# Altium PCB main_board.PcbDoc
Units mil, origin at the board's own origin, x right, y up, seen from the top; angles counter-clockwise.
Board outline 8661.42 x 3543.31 mil, 2 copper layers (Top Layer, Bottom Layer); 70 components, 88 nets, 377 pads, 0 vias.
Unrouted connection lines stored in the file: 151.
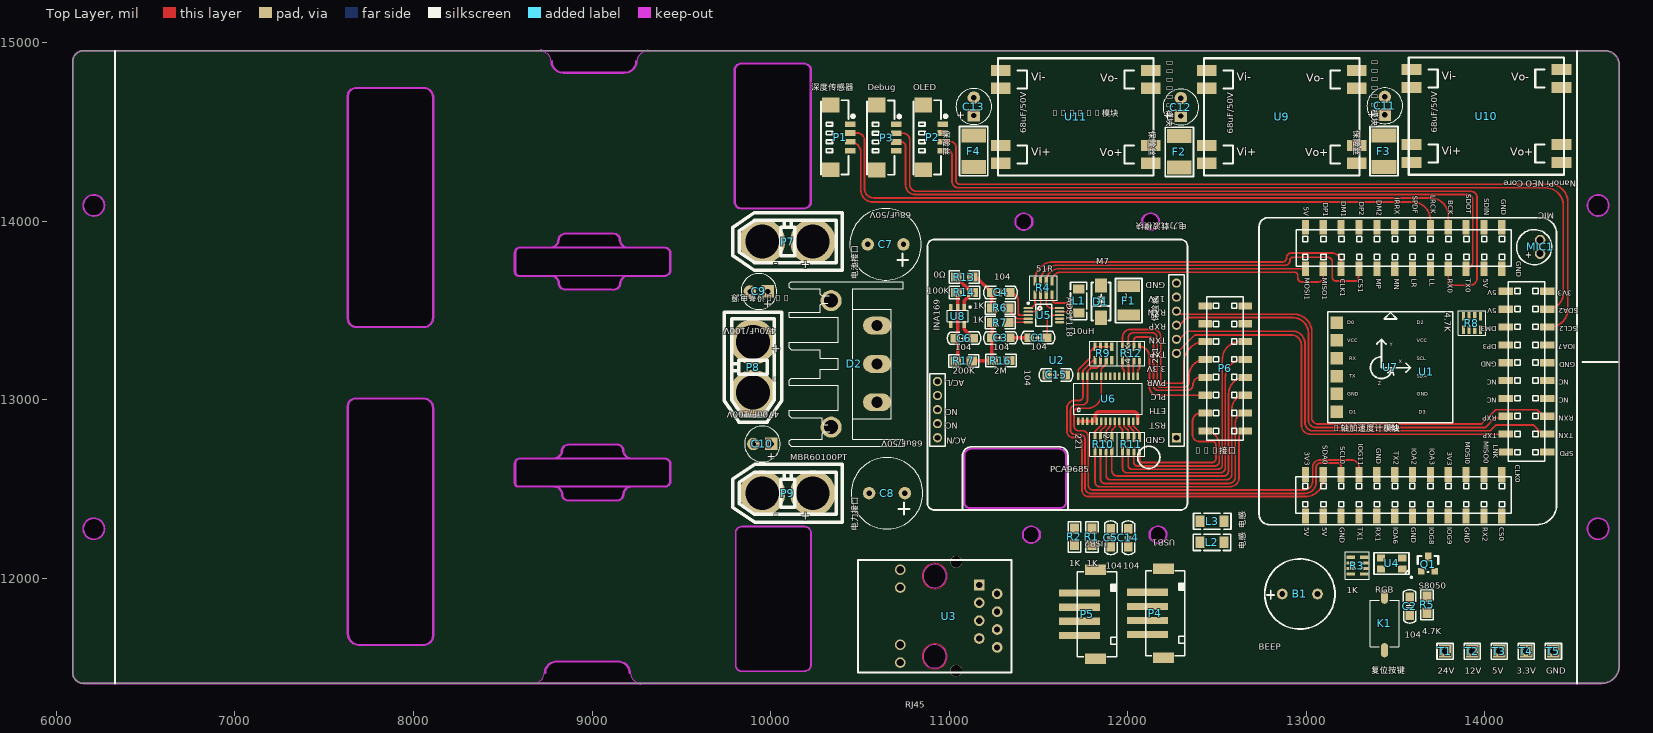
[diagram p0: Top Layer view]
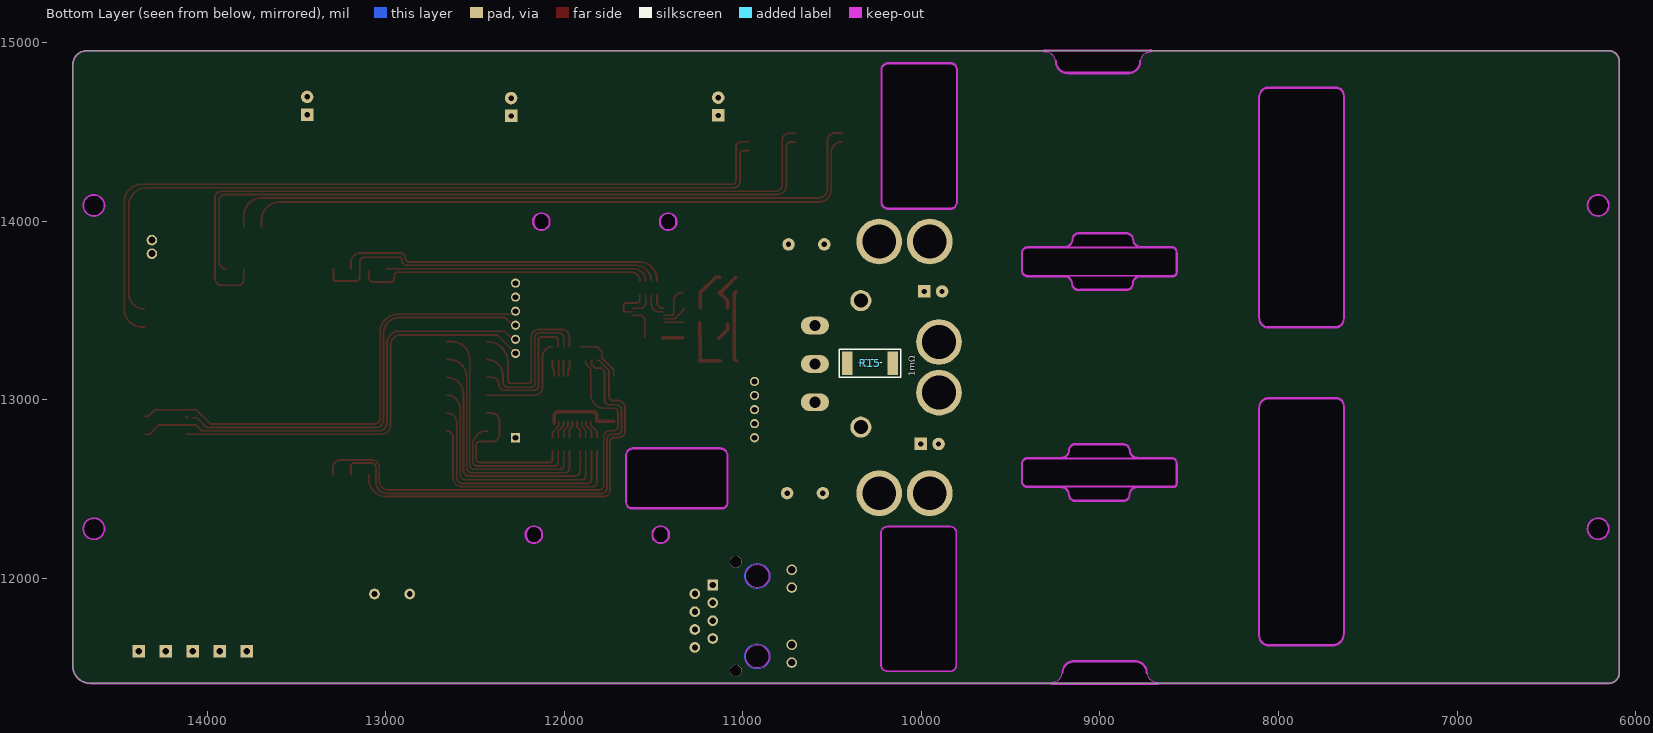
[diagram p1: Bottom Layer view, seen from below]

## Layer stack, top to bottom
Top Solder: solder mask 0.4, Solder Resist, Dk 3.5
Top Layer: signal copper 1.4
Dielectric 1: dielectric 12.6, FR-4, Dk 4.8
Bottom Layer: signal copper 1.4
Bottom Solder: solder mask 0.4, Solder Resist, Dk 3.5

## Board outline
6150.67,11411.02 cw(c6150.67,11470.08) 6091.61,11470.08 6091.61,14895.28 cw(c6150.67,14895.28) 6150.67,14954.33 14674.29,14954.33 cw(c14674.29,14875.59) 14753.03,14875.59 14753.03,11509.45 cw(c14654.61,11509.45) 14654.61,11411.02
cut-out: 11464.06,12196.85 cw(c11464.06,12244.09) 11416.81,12244.09 cw(c11464.06,12244.09) 11464.06,12291.34 cw(c11464.06,12244.09) 11511.3,12244.09 cw(c11464.06,12244.09)
cut-out: 12166.65,12196.85 cw(c12166.65,12244.09) 12119.41,12244.09 cw(c12166.65,12244.09) 12166.65,12291.34 cw(c12166.65,12244.09) 12213.9,12244.09 cw(c12166.65,12244.09)
cut-out: 12124.65,13949.87 cw(c12124.65,13997.12) 12077.41,13997.12 cw(c12124.65,13997.12) 12124.65,14044.36 cw(c12124.65,13997.12) 12171.9,13997.12 cw(c12124.65,13997.12)
cut-out: 11422.06,13949.87 cw(c11422.06,13997.12) 11374.81,13997.12 cw(c11422.06,13997.12) 11422.06,14044.36 cw(c11422.06,13997.12) 11469.3,13997.12 cw(c11422.06,13997.12)
cut-out: 9310.51,14959.32 cw(c9310.25,14954.31) 9309.99,14949.3 ccw(c9307.08,14893.64) 9251.43,14896.68 cw(c9181.53,14896.81) 9181.53,14826.91 8840.04,14826.91 cw(c8840.04,14896.81) 8770.14,14896.76 ccw(c8716.62,14895.44) 8715.4,14948.96 ccw(c8716.62,14895.44) 8715.37,14948.96 8715.4,14948.96 cw(c8715.25,14953.98) 8710.24,14953.98 cw(c8715.25,14953.98) 8711.72,14957.54 cw(c8715.25,14953.98) 8715.13,14958.99 cw(c8716.62,14895.44) 8717.34,14959 ccw(c8715.58,14954.31) 8712.04,14957.85
cut-out: 8674.49,11405.68 cw(c8674.75,11410.69) 8675.01,11415.7 ccw(c8677.92,11471.36) 8733.57,11468.32 cw(c8803.47,11468.19) 8803.47,11538.09 9144.96,11538.09 cw(c9144.96,11468.19) 9214.86,11468.24 ccw(c9268.38,11469.56) 9269.6,11416.04 ccw(c9268.38,11469.56) 9269.63,11416.04 9269.6,11416.04 cw(c9269.75,11411.02) 9274.76,11411.02 cw(c9269.75,11411.02) 9273.28,11407.46 cw(c9269.75,11411.02) 9269.87,11406.01 cw(c9268.38,11469.56) 9267.66,11406 ccw(c9269.42,11410.69) 9272.96,11407.15
cut-out: 8811.73,13647.79 ccw(c8770.9,13648.54) 8811.74,13648.54 ccw(c8770.9,13648.54) 8771.66,13689.37 cw(c8771.75,13694.39) 8770.74,13689.47 8590.35,13689.47 cw(c8590.35,13714.17) 8565.65,13714.17 8565.65,13824.41 cw(c8598.23,13824.41) 8598.23,13856.98 8767.19,13856.98 cw(c8767.75,13852) 8767.82,13857.01 ccw(c8768.4,13898.35) 8809.73,13897.76 cw(c8814.75,13897.69) 8809.79,13898.42 cw(c8852.25,13892.19) 8858.1,13934.71 9115.5,13934.71 cw(c9119.25,13895.19) 9158.74,13899.2 cw(c9153.75,13898.69) 9158.76,13898.69 cw(c9153.75,13898.69) 9158.76,13898.6 ccw(c9199.59,13897.85) 9198.84,13857.01 cw(c9198.75,13852) 9199.31,13856.98 9403.49,13856.98 cw(c9403.49,13818.65) 9441.83,13818.65 9441.83,13725.31 cw(c9405.99,13725.31) 9405.99,13689.47 9203.76,13689.47 cw(c9202.75,13694.39) 9202.68,13689.37 ccw(c9202.09,13648.04) 9160.76,13648.62 ccw(c9155.75,13648.69) 9160.76,13648.69 9160.76,13648.62 cw(c9155.75,13648.69) 9160.71,13647.97 cw(c9118.25,13654.19) 9112.39,13611.68 8854.99,13611.68 cw(c8851.25,13651.19) 8811.76,13647.19 cw(c8816.75,13647.69)
cut-out: 8829.73,12466.79 ccw(c8788.9,12467.54) 8829.74,12467.54 ccw(c8788.9,12467.54) 8789.7,12508.37 ccw(c8788.9,12467.54) 8789.66,12508.37 8789.7,12508.37 8590.35,12508.37 cw(c8590.35,12533.07) 8565.65,12533.07 8565.65,12643.31 cw(c8598.23,12643.31) 8598.23,12675.88 8785.6,12675.88 cw(c8786.75,12671) 8786.82,12676.01 ccw(c8787.4,12717.35) 8828.73,12716.76 cw(c8833.75,12716.69) 8828.79,12717.42 cw(c8871.25,12711.19) 8877.1,12753.71 9134.5,12753.71 cw(c9138.25,12714.19) 9177.74,12718.2 cw(c9172.75,12717.69) 9177.76,12717.69 cw(c9172.75,12717.69) 9177.76,12717.6 ccw(c9218.59,12716.85) 9217.84,12676.01 cw(c9217.75,12671) 9218.9,12675.88 9403.49,12675.88 cw(c9403.49,12637.54) 9441.83,12637.54 9441.83,12544.21 cw(c9405.99,12544.21) 9405.99,12508.37 9219.48,12508.37 ccw(c9220.09,12467.04) 9178.76,12467.62 ccw(c9173.75,12467.69) 9178.76,12467.69 9178.76,12467.62 cw(c9173.75,12467.69) 9178.71,12466.97 cw(c9136.25,12473.19) 9130.39,12430.68 8872.99,12430.68 cw(c8869.25,12470.19) 8829.76,12466.19 cw(c8834.75,12466.69)
cut-out: 6209.72,14029.13 cw(c6209.72,14088.19) 6150.67,14088.19 cw(c6209.72,14088.19) 6209.72,14147.24 cw(c6209.72,14088.19) 6268.78,14088.19 cw(c6209.72,14088.19)
cut-out: 6209.72,12218.11 cw(c6209.72,12277.17) 6150.67,12277.17 cw(c6209.72,12277.17) 6209.72,12336.22 cw(c6209.72,12277.17) 6268.78,12277.17 cw(c6209.72,12277.17)
cut-out: 14575.87,12277.17 ccw(c14634.92,12277.17) 14634.92,12218.11 ccw(c14634.92,12277.17) 14693.98,12277.17 ccw(c14634.92,12277.17) 14634.92,12336.22 ccw(c14634.92,12277.17)
cut-out: 14575.87,14088.19 ccw(c14634.92,14088.19) 14634.92,14029.13 ccw(c14634.92,14088.19) 14693.98,14088.19 ccw(c14634.92,14088.19) 14634.92,14147.24 ccw(c14634.92,14088.19)
cut-out: 9804.94,11513.6 9804.94,12256.39 cw(c9837.94,12256.39) 9837.94,12289.39 10189.95,12289.39 cw(c10189.95,12252.97) 10226.36,12252.97 10226.36,11516.2 cw(c10189.36,11516.2) 10189.36,11479.2 9839.34,11479.2 cw(c9839.34,11513.6)
cut-out: 9796.92,14105.86 9796.92,14849.61 cw(c9801.94,14849.61) 9796.95,14850.15 cw(c9834.94,14848.65) 9834.94,14886.66 10186.95,14886.66 cw(c10186.95,14845.23) 10227.84,14851.86 cw(c10223.36,14849.61) 10228.38,14849.61 10228.38,14108.46 cw(c10186.36,14108.46) 10187.34,14066.45 cw(c10187,14071.46) 10187,14066.44 9836.34,14066.44 cw(c9836.34,14105.86)
cut-out: 7629.91,13454.01 7629.91,14702.71 cw(c7677.88,14702.71) 7677.88,14750.68 8056.18,14750.68 cw(c8056.18,14694.49) 8112.1,14700.07 cw(c8107.36,14698.43) 8112.38,14698.43 8112.38,13457.87 cw(c8056.58,13457.87) 8056.58,13402.07 7681.84,13402.07 cw(c7681.84,13454.01)
cut-out: 7629.91,11689.2 7629.91,12965.72 cw(c7674.71,12965.72) 7674.71,13010.53 8060.12,13010.53 cw(c8060.12,13005.51) 8061.76,13010.25 cw(c8056.18,12954.33) 8112.38,12954.33 8112.38,11678.34 cw(c8056.58,11678.34) 8056.58,11622.54 7696.56,11622.54 cw(c7696.56,11689.2)

## Design rules (kind name [scope] priority, off if disabled: settings)
Clearance [All] p1: gap=7
PolygonConnect [All] p1: connectstyle=Relief reliefconductorwidth=10 reliefentries=4 polygonreliefangle="90 Angle" airgapwidth=10
RoutingVias [All] p1: holewidth=28 width=50 viastyle="Through Hole" minholewidth=28 minwidth=50 maxholewidth=28 maxwidth=50
SolderMaskExpansion [All] p1: expansion=4
Width [All] p1: maxlimit=200 minlimit=5 preferedwidth=10 minimp=50.000000 maximp=50.000000 favimp=50.000000
30 further rules are at their usual default settings.

## Classes and differential pairs
component class devices: B1 C1 C2 C3 C4 C5 C14 C15 K1 MIC1 P1 P2 P3 P4 P5 P6 Q1 R3 R4 R5 R6 R7 R8 R9 R10 R11 R12 R? U4 U5 U6 U7
component class power: C6 C7 C8 C9 C10 C11 C12 C13 D2 F2 F3 F4 F? L2 L3 P7 P8 P9 R13 R14 R15 R16 R17 T1 T2 T3 T4 T5 U8 U9 U10 U11 U?
component class core: D1 F1 L1 R1 R2 U1 U2 U3

## Components (designator, comment, footprint, x,y, rotation, side; value= is the part's Value field where it differs from the comment)
B1 "BEEP" BUZZER 12964.44,11911.81 r0 top
C1 "104" 0805C 11547,13343 r180 top
C2 "104" 0805C 13575.06,11793.66 r90 top
C3 "104" 0805C 11337.18,13342.39 r180 top
C4 "104" 0805C 11337.18,13596.39 r180 top
C5 "104" 0805C 11901,12178 r90 top
C6 "104" 0805C 11035,13349 r0 top
C7 "68uF/50V" RB.2.4 10744.09,13870.08 r180 top
C8 "68uF/50V" RB.2.4 10751.97,12476.38 r180 top
C9 "470uF/100V" RB.1.2 9984.25,13606.3 r180 top
C10 "470uF/100V" RB.1.2 10003.94,12751.97 r180 top
C11 "68uF/50V" RB.1.2 13440,14596 r90 top
C12 "68uF/50V" RB.1.2 12298,14589 r90 top
C13 "68uF/50V" RB.1.2 11138,14592 r90 top
C14 "104" 0805C 11999,12178 r90 top
C15 "104" 0805C 11550,13143 r0 top
D1 "M7" SMA/DO-214AC 11849,13633 r270 top
D2 "MBR60100PT" TO-247LS 10338.58,12846.46 r90 top
F1 "保险丝" 1812 12006,13469 r90 top
F2 "保险丝" FUSE-1812 12286,14473 r270 top
F3 "保险丝" FUSE-1812 13432,14477 r270 top
F4 "保险丝" FUSE-1812 11134,14477 r270 top
K1 "复位按键" 贴片按键 13441.04,11602.71 r90 top
L1 "10uH" 1206L 11727,13487 r90 top
L2 "电感" 1206L 12538,12203 r180 top
L3 "电感" 1206L 12539,12321 r180 top
MIC1 "MIC" MIC 14275.59,13854.33 r180 top
P1 "深度传感器" MX1.25S-4P 10335,14651 r270 top
P2 "OLED" MX1.25S-4P 10853.5,14651 r270 top
P3 "Debug" MX1.25S-4P 10594,14650 r270 top
P4 "USB1" PH2.0S-4P 12201,12052 r270 top
P5 "USB2" PH2.0S-4P 11820,12047 r270 top
P6 "PWM接口" HDR2X8/2.54-SMD 12496,12831 r90 top
P7 "电池接口" XT60-F 10255.91,13885.83 r180 top
P8 "24V设备电源" XT60-F 9901.57,13342.52 r270 top
P9 "电力接口" XT60-F 10255.91,12476.38 r180 top
Q1 "S8050" SOT-23 13647.29,12044.2 r0 top
R1 "1K" 0805R 11800.12,12180.66 r90 top
R2 "1K" 0805R 11702.12,12180.66 r90 top
R3 "1K" 排阻(4位贴片) 13250.23,12117.03 r0 top
R4 "51R" 排阻(4位贴片) 11481.61,13590.01 r90 top
R5 "4.7K" 0805R 13677.98,11800.66 r90 top
R6 "1K" 0805R 11337.18,13514.39 r180 top
R7 "1K" 0805R 11337.18,13432.39 r180 top
R8 "4.7K" 排阻(4位贴片) 13975,13465 r270 top
R9 "4.7K" 排阻(4位贴片) 11817,13223.44 r90 top
R10 "221" 排阻(4位贴片) 11910.45,12786.44 r270 top
R11 "221" 排阻(4位贴片) 12065.45,12786.44 r270 top
R12 "221" 排阻(4位贴片) 11971.95,13223.44 r90 top
R13 "0Ω" 0805R 11136,13687 r180 top
R14 "100K" 0805R 11137,13601 r180 top
R15 "1mΩ" 2512R 10161.42,13204.72 r0 bottom
R16 "2M" 0805R 11341,13220 r180 top
R17 "200K" 0805R 11133,13218 r180 top
T1 "24V" "HEADER 1" 13783,11591 r0 top
T2 "12V" "HEADER 1" 13934.5,11591 r0 top
T3 "5V" "HEADER 1" 14086,11591 r0 top
T4 "3.3V" "HEADER 1" 14237.5,11591 r0 top
T5 "GND" "HEADER 1" 14389,11591 r0 top
U1 "NanoPi NEO Core" "NanoPi NEO Core" 13738.74,12170 r270 top locked
U2 "电力载波模块" 电力载波模块6410 12315,12382 r180 top locked
U3 "RJ45" RJ45 10918,11554 r90 top
U4 "RGB" RGB-3528 13419.86,12113.2 r0 top
U5 "ADS1118" VSSOP-10 11442.99,13512.39 r0 top
U6 "PCA9685" TSSOP-28 11728.45,12874.44 r90 top
U7 "9轴加速度计模块" 9轴加速度计 13163.74,13440 r0 top
U8 "INA169" SOT23-5 11083,13518 r180 top
U9 "MP1584模块" MP1584电源模块 12499,14745 r0 top
U10 "MP1584模块" MP1584电源模块 13646,14750 r0 top
U11 "MP1584模块" MP1584电源模块 11346,14745 r0 top

## Footprints (in the part's own frame and the unit in brackets; to place one, negate y for a bottom-side part, rotate by r counter-clockwise, add the part's x,y. Pads: shape width x height; smd on the part's side, far side on the other; paste and mask are expansions set on the pad)
9轴加速度计 [mil]
  rect 70x70 smd: 1(5.91,-7.81) 2(5.91,-107.81) 3(5.91,-207.81) 4(5.91,-307.81) 5(5.91,-407.81) 6(5.91,-507.81)
  rect 0x0 smd: 7(605.91,-507.81) 8(605.91,-407.81) 9(605.91,-307.81) 10(605.91,-207.81) 11(605.91,-107.81) 12(605.91,-7.81)
  silkscreen extent -44,-570 657,53, body extent -10,-570 622,55, height 87
0805C [mm]
  rect 1.35x1.25 smd: 1(-0.025,-0.112) 2(2.515,-0.112)
  silkscreen extent -1.15,-1 3.64,0.78, body extent -0.03,-0.75 2.48,0.5, height 0.79
0805R [mil]
  rect 60x50 smd: 1(6.34,0.5) 2(96.34,0.5)
  silkscreen extent -34,-34 136,36, body extent 2,-24 101,25, height 31
1206L [mil]
  rect 50x65 smd: 1(-1.59,1.89) 2(133.41,1.89)
  silkscreen extent -39,-43 171,47, body extent 3,-28 129,35, height 35
1812 [mm]
  rect 1.6x3.2 smd: 1(0.127,0) 2(4.227,0)
  silkscreen extent -0.97,-1.9 5.33,1.9, body extent -0.07,-1.6 4.43,1.6, height 1.6
2512R [mil]
  rect 61x129.92 smd: 1(-1.11,1) 2(253.89,1)
  silkscreen extent -45,-78 298,80, body extent 2,-64 251,62, height 24
BUZZER [mil]
  round 60 hole 32 mask+0: 1(-98.43,0) 2(98.43,0)
  silkscreen extent -197,-197 197,197, body extent -240,-236 233,236, height 354
FUSE-1812 [mm]
  rect 2x3.5 smd: 1(-0.1,0.086) 2(4.4,0.086)
  silkscreen extent -1.35,-1.91 5.65,2.09, body extent -0.26,-1.52 4.56,1.7, height 1.32
HDR2X8/2.54-SMD [mm]
  rect 1.02x1.9 smd: 1(-0.146,-4.117) 2(-0.146,1.583) 3(2.394,-4.117) 4(2.394,1.583) 5(4.934,-4.117) 6(4.934,1.583) 7(7.474,-4.117) 8(7.474,1.583) 9(10.014,-4.117) 10(10.014,1.583) 11(12.554,-4.117) 12(12.554,1.583) 13(15.094,-4.117) 14(15.094,1.583) 15(17.634,-4.117) 16(17.634,1.583)
  silkscreen extent -1.49,-3.87 18.96,1.33, body extent -1.48,-4.36 18.9,2.03, height 5.15
"HEADER 1" [mil]
  rect 70x70 hole 35: 1(-5,0)
  silkscreen extent -50,-45 40,44
MIC [mm]
  round 1.5 hole 1.016: 1(-0.875,0.925) 2(-0.875,-1)
  silkscreen extent -2.53,-2.5 2.47,2.5, body extent -3.1,-2.97 2.9,3.02, height 2.21
MP1584电源模块 [mm]
  rect 2.8x1.6 smd: 1(-1.441,-0.032) 1(-1.441,2.519) 2(-1.441,-10.7) 2(-1.441,-8.16) 3(19.901,-10.7) 3(19.901,-8.16) 4(19.901,-0.032) 4(19.901,2.508)
  silkscreen extent -1.82,-12.45 20.28,4.26, body extent -1.97,-12.42 20.3,4.18, height 4.65
MX1.25S-4P [mm]
  rect 2.1x2.5 smd: 0(0.001,0.04) 0(9.237,0.04)
  rect 0.8x1.5 smd: 1(2.744,2.807) 2(3.994,2.807) 3(5.244,2.807) 4(6.494,2.807)
  silkscreen extent -0.66,-1.36 9.9,3.42, body extent -0.39,-1.2 9.76,2.9, height 4.7
"NanoPi NEO Core" [mm]
  rect 2.1x1.02 smd: 1(-45.612,-18.878) 2(-39.712,-18.878) 3(-45.612,-16.338) 4(-39.712,-16.338) 5(-45.612,-13.798) 6(-39.712,-13.798) 7(-45.612,-11.258) 8(-39.712,-11.258) 9(-45.612,-8.718) 10(-39.712,-8.718) 11(-45.612,-6.178) 12(-39.712,-6.178) 13(-45.612,-3.638) 14(-39.712,-3.638) 15(-45.612,-1.098) 16(-39.712,-1.098) 17(-45.612,1.442) 18(-39.712,1.442) 19(-45.612,3.982) 20(-39.712,3.982) 21(-45.612,6.522) 22(-39.712,6.522) 23(-45.612,9.062) 24(-39.712,9.062) 25(-10.45,-18.883) 26(-4.55,-18.883) 27(-10.45,-16.343) 28(-4.55,-16.343) 29(-10.45,-13.803) 30(-4.55,-13.803) 31(-10.45,-11.263) 32(-4.55,-11.263) 33(-10.45,-8.723) 34(-4.55,-8.723) 35(-10.45,-6.183) 36(-4.55,-6.183) 37(-10.45,-3.643) 38(-4.55,-3.643) 39(-10.45,-1.103) 40(-4.55,-1.103) 41(-10.45,1.437) 42(-4.55,1.437) 43(-10.45,3.977) 44(-4.55,3.977) 45(-10.45,6.517) 46(-4.55,6.517) 47(-10.45,9.057) 48(-4.55,9.057)
  rect 1.02x2.1 smd: 49(-13.641,9.625) 50(-13.641,15.525) 51(-16.181,9.625) 52(-16.181,15.525) 53(-18.721,9.625) 54(-18.721,15.525) 55(-21.261,9.625) 56(-21.261,15.525) 57(-23.801,9.625) 58(-23.801,15.525) 59(-26.341,9.625) 60(-26.341,15.525) 61(-28.881,9.625) 62(-28.881,15.525) 63(-31.421,9.625) 64(-31.421,15.525) 65(-33.961,9.625) 66(-33.961,15.525) 67(-36.501,9.625) 68(-36.501,15.525)
  silkscreen extent -46.97,-25.48 -3.3,16.85, body extent -45.96,-20.21 -4.4,15.67, height 5.15
PH2.0S-4P [mil]
  rect 59.06x118.11 smd: 0(-0.16,-1.22) 0(497.32,-1.22)
  rect 40x230 smd: 1(130.47,-89.33) 2(209.21,-89.33) 3(287.95,-89.33) 4(366.69,-89.33)
  silkscreen extent 10,-101 487,119, body extent 12,-190 485,117, height 242
RB.1.2 [mil]
  rect 70x70 hole 30: 1(0,0)
  round 70 hole 30: 2(100,0)
  silkscreen extent -50,-100 150,100, body extent -28,-73 130,85, height 278
RB.2.4 [mil]
  round 70 hole 30: 1(0,0) 2(200,0)
  silkscreen extent -100,-200 300,200, body extent -110,-218 316,207, height 512
RGB-3528 [mm]
  rect 1.2x1 smd: 1(-0.029,0.03) 2(-0.029,-1.57) 3(2.971,0.03) 4(2.971,-1.57)
  silkscreen extent -1.01,-2.87 4.42,0.76, body extent -0.32,-2.2 3.18,0.6, height 1.9
RJ45 [mil]
  rect 60x60 hole 35: 1(408.65,-250.74)
  round 60 hole 35: 2(358.65,-350.74) 3(308.65,-250.74) 4(258.65,-350.74) 5(208.65,-250.74) 6(158.65,-350.74) 7(108.65,-250.74) 8(58.65,-350.74)
  round 59.06 hole 40.16: 9(493.29,192.17) 12(-26.39,192.17)
  round 59.05 hole 40.16: 10(393.45,192.17) 11(73.45,192.17)
  round 66.93 hole 64.96: 13(538.57,-120.74) 14(-71.67,-120.74)
  round 116.14 hole 127.95: MH3(8.42,-1.24) MH3(458.42,-1.24)
  Keep-Out Layer circle w2: c458.49,-0.74 r64.96
  Keep-Out Layer circle w2: c8.49,-0.74 r64.96
  Multi-Layer circle w5: c8.42,-1.24 r70.8
  Multi-Layer circle w5: c458.42,-1.24 r70.8
  silkscreen extent -82,-431 548,429, body extent -82,-417 543,425, height 551
SMA/DO-214AC [mm]
  rect 2x1.75 smd: 1(-0.178,0.025) 2(4.422,0.025)
  silkscreen extent -0.58,-1.32 4.82,1.38, body extent -0.38,-1.32 4.73,1.35, height 2.12
SOT23-5 [mm]
  rect 0.5x1 smd: 1(-0.051,0.051) 2(0.899,0.051) 3(1.849,0.051) 4(1.849,2.451) 5(-0.051,2.451)
  silkscreen extent -0.99,-0.15 2.4,2.05, body extent -0.55,-0.15 2.35,2.65, height 1.09
SOT-23 [mil]
  rect 36x36 smd: 1(-2.52,-5.16) 2(72.48,-5.16)
  rect 36x50 smd: 3(35.48,74.84)
  silkscreen extent -23,-10 92,80, body extent -22,-18 92,92, height 47
TO-247LS [mm]
  round 3 hole 2: 0(-0.008,-0.02) 0(17.992,-0.02)
  oval 2.54x4 hole 1.575: 1(3.542,-6.552) 2(8.992,-6.552) 3(14.442,-6.552)
  silkscreen extent -2.71,-10.25 20.69,5.95, body extent -2.46,-10.33 20.44,6.07, height 30.62
TSSOP-28 [mm]
  rect 1.1x0.35 smd: 1(0.134,0.126) 2(0.134,-0.524) 3(0.134,-1.174) 4(0.134,-1.824) 5(0.134,-2.474) 6(0.134,-3.124) 7(0.134,-3.774) 8(0.134,-4.424) 9(0.134,-5.074) 10(0.134,-5.724) 11(0.134,-6.374) 12(0.134,-7.024) 13(0.134,-7.674) 14(0.134,-8.324) 15(6.534,-8.324) 16(6.534,-7.674) 17(6.534,-7.024) 18(6.534,-6.374) 19(6.534,-5.724) 20(6.534,-5.074) 21(6.534,-4.424) 22(6.534,-3.774) 23(6.534,-3.124) 24(6.534,-2.474) 25(6.534,-1.824) 26(6.534,-1.174) 27(6.534,-0.524) 28(6.534,0.126)
  silkscreen extent 1.13,-8.95 5.53,0.75, body extent 0.15,-8.95 6.55,0.75, height 0.92
VSSOP-10 [mm]
  oval 1.35x0.3 smd: 1(0,0.008) 2(0,-0.492) 3(0,-0.992) 4(0,-1.492) 5(0,-1.992) 6(4.45,-1.992) 7(4.45,-1.492) 8(4.45,-0.992) 9(4.45,-0.492) 10(4.45,0.008)
  silkscreen extent -0.12,-2.54 3.37,0.83, body extent -0.24,-2.48 4.69,0.53, height 1.1
XT60-F [mm]
  round 6.5 hole 4.8: 1(0.489,0) 2(7.689,0)
  silkscreen extent -3.71,-4.1 11.89,4.1, body extent -3.81,-4.06 12.09,4.09, height 16.5
排阻(4位贴片) [mm]
  rect 1.22x0.45 smd: 1(-0.051,0.013) 2(1.869,0.013) 3(-0.051,-0.787) 4(1.869,-0.787) 5(-0.051,-1.587) 6(1.869,-1.587) 7(-0.051,-2.387) 8(1.869,-2.387)
  silkscreen extent -0.81,-3.14 2.64,0.76, body extent 0.1,-2.79 1.7,0.41, height 0.59
电力载波模块6410 [mm]
  round 1.3 hole 0.8: 0(35.059,-16.289) 7(1.059,-22.289) 8(1.059,-24.289) 9(1.059,-26.289) 10(1.059,-28.289) 11(1.059,-30.289) 12(1.059,-32.289) 13(35.059,-18.289) 14(35.059,-14.289) 15(35.059,-12.289) 16(35.059,-10.289)
  rect 1.3x1.3 hole 0.8: 1(1.059,-10.289)
  round 0 all layers, no hole: 2(1.059,-12.289) 3(1.059,-14.289) 4(1.059,-16.289) 5(1.059,-18.289) 6(1.059,-20.289)
  Keep-Out Layer board cut-out: 16.655,-7.747 16.653,-7.734 16.652,-7.721 16.652,-7.721 16.652,-1.19 16.652,-1.184 16.652,-1.179 16.652,-1.179 16.804,-0.665 17.188,-0.292 17.706,-0.156 17.706,-0.156 30.367,-0.156 30.367,-0.156 30.862,-0.289 31.224,-0.651 31.357,-1.146 31.357,-1.146 31.357,-7.712 31.356,-7.726 31.354,-7.74 31.354,-7.74 31.169,-8.294 30.741,-8.691 30.175,-8.836 30.175,-8.836 17.729,-8.836 17.707,-8.834 17.685,-8.828 17.685,-8.828 17.685,-8.828 17.182,-8.646 16.813,-8.258 16.655,-7.747
  Keep-Out Layer lines w0.254: 31.229,-7.654 cw(c30.175,-7.654) 30.175,-8.708 17.729,-8.708 ; 31.229,-7.712 31.229,-1.146 ccw(c30.367,-1.146) 30.367,-0.283 17.706,-0.283 ccw(c17.706,-1.21) 16.779,-1.21 ; 17.821,-8.708 cw(c17.821,-7.667) 16.779,-7.667 ; 16.779,-1.19 16.779,-7.721
  silkscreen extent -0.5,-38.5 36.5,0, body extent -0.15,-33.42 36.3,-8.87, height 4.35
贴片按键 [mil]
  oval 80x40 smd: 1(-5.71,2.8) 2(294.29,2.8)
  silkscreen extent 14,-76 274,82, body extent 24,-69 264,77, height 98

## Part data
C1 C2 C3 C4 C5 C6 C14 C15: library part Cap1, "无极贴片电容"
C7 C8 C9 C10 C11 C12 C13: library part Cap3, "直插极性电容"
D1: library part Diode, "二极管"
F1 F2 F3 F4: library part Fuse
K1: library part 贴片按键, "轻触开关"
L1: library part L, "电感"
L2 L3: library part L
P1 P2 P3: library part 接线端子-4PIN, "4PIN"
P4 P5: library part USB
P6: library part "Header 2X8"
P7 P9: library part 电源端子
P8: library part 推进器电源
Q1: library part NPN, "NPN三极管"
R1 R2 R5 R6 R7 R13 R14 R15: library part Res, "电阻"
R3 R4 R8 R9 R10 R11 R12: library part Res-4, "排阻"
R16 R17: library part R1
T1 T2 T3 T4 T5: library part 测试点, "测试点"
U2: library part 电力载波模块6410
U7: library part 9轴加速度计
U9 U10 U11: library part MP1584电源模块

## Nets (pads, with @x,y where several pads share a name; then routed paths per layer and width w, separated by ;. In a path a pad name is that pad's centre, name@x,y a point inside that pad or via, vN(x,y) a via of type N, cw(c..) or ccw(c..) an arc to the next point about the centre after c; other vN are vias at no path point)
BATTERY_24V: D2.3 P7.1
DGND: C1.2 C2.1 C3.1 C4.1 C5.2 C14.2 C15.1 K1.2 L2.1 P1.4 P2.2 P3.4 P4.4 P5.4 P6.14 P6.16 Q1.2 U1.23 U1.24 U1.30 U1.33 U1.59 U1.60 U2.1 U2.12 U5.3 U6.1 U6.2 U6.3 U6.4 U6.5 U6.14 U6.24 U6.25 U7.8 | length 746.3
  Top Layer w10: C4.1 cw(c11338.17,13551.85) 11387.12,13551.85 11387.12,13483.71 ccw(c11397.5,13483.71) 11397.5,13473.33 U5.3
  Top Layer w20: C3.1 11447.37,13346.81 C1.2 ; U6.1 U6.2 U6.3 U6.4 11818,12879.72 11818,12908 cw(c11843,12908) 11843,12933 12031,12933 cw(c12031,12907.83) 12056.17,12907.83 U6.14 U6.14@12056.17,12868
EPHY_RX_N: U1.54 U2.10 U3.6 | length 2689.5
  Top Layer w10: U2.10 12290.05,13479 12931,13479 cw(c12931,13379) 13031,13379 13031,12898 ccw(c13065,12898) 13065,12864 13981,12864 14061,12944 14294,12944 14330.95,12907.05 U1.54
EPHY_RX_P: U1.53 U2.9 U3.3 | length 2419.3
  Top Layer w10: U2.9 12287.99,13416.99 12331,13460 12925.11,13460 cw(c12925.11,13373.11) 13012,13373.11 13012,12886 ccw(c13054,12886) 13054,12844 14002,12844 14057,12899 U1.53@14079.96,12899 ; U1.53@14109.63,12899 U1.53
EPHY_TX_N: U1.52 U2.8 U3.2 | length 2639.4
  Top Layer w10: U2.8 12289.25,13338.25 12335,13384 12923,13384 cw(c12923,13314) 12993,13314 12993,12871 ccw(c13038,12871) 13038,12826 14031,12826 14064,12859 14271,12859 14322.95,12807.05 U1.52
EPHY_TX_P: U1.51 U2.7 U3.1 | length 2397.1
  Top Layer w10: U2.7 12376.8,13363 12915.63,13363 cw(c12915.63,13305.63) 12973,13305.63 12973,12857 ccw(c13022.95,12857) 13022.95,12807.05 U1.51
GND: C6.1 C7.2 C8.2 C9.2 C10.2 L2.2 L3.2 P7.2 P8.2 P9.2 R14.2 R17.2 T5.1 U2.16 U3.8 U3.13 U3.14 U8.2 | length 391.5
  Top Layer w20: R17.2 11047.6,13228.44 U8.2 11047.6,13593.56 ccw(c11040.66,13593.56) R14.2
LINK_LED: U1.49 U3.10
NetB1_2: B1.2 Q1.3
NetC2_2: C2.2 K1.1 R5.1 U1.62
NetC3_2: C3.2 R7.2 R16.2 R17.1 | length 333.4
  Top Layer w10: C3.2 C3.2@11240.84,13349.48
  Top Layer w20: R17.1 11242.66,13217.5 11238.17,13221.99 C3.2 ; C3.2@11240.84,13349.48 R7.2
NetC4_2: C4.2 R6.2 R13.1 | length 232
  Top Layer w10: R6.2@11238.17,13516.56 R6.2
  Top Layer w20: R13.1 11152.47,13686.5 C4.2 R6.2@11238.17,13516.56
NetC6_2: C6.2 C7.1 C8.1 C11.1 C12.1 C13.1 D2.2 F2.1 F3.1 F4.1 R15.2 R16.1 U8.3 U8.5 | length 97.2
  Top Layer w20: U8.5 11085,13393.59 C6.2
NetC9_1: C9.1 C10.1 P8.1 R15.1 U8.4
NetD1_1: D1.1 F1.2
NetD1_2: D1.2 L1.1
NetF2_2: F2.2 U9.2
NetF3_2: F3.2 U10.2
NetF4_2: F4.2 U11.2
NetMIC1_1: MIC1.1 U1.10
NetMIC1_2: MIC1.2 U1.12
NetP1_2: P1.2 R8.5 U1.17 | length 3795.1
  Top Layer w10: P1.2 10485.25,14493.75 cw(c10485.25,14453) 10526,14453 10526,14182.33 ccw(c10578.33,14182.33) 10578.33,14130 13695.5,14130 cw(c13695.5,14030) 13795.5,14030 U1.17
NetP1_3: P1.3 R8.7 U1.15 | length 3631.1
  Top Layer w10: P1.3 cw(c10445.5,14385.03) 10505,14385.03 10505,14175.14 ccw(c10573.14,14175.14) 10573.14,14107 13595.5,14107 cw(c13595.5,14007) 13695.5,14007 U1.15
NetP2_3: P2.3 R8.1 U1.64 | length 4546.2
  Top Layer w10: P2.3 11009.46,14444.54 cw(c11009.46,14416) 11038,14416 11038,14228.48 ccw(c11059.48,14228.48) 11059.48,14207 14365,14207 cw(c14365,14107) 14465,14107 14465,13507.05 cw(c14365,13507.05) 14365,13407.05 U1.64
NetP2_4: P2.4 R8.3 U1.66 | length 4346.9
  Top Layer w10: P2.4 10991.68,14395.32 cw(c10991.68,14371) 11016,14371 11016,14222.83 ccw(c11051.83,14222.83) 11051.83,14187 14340,14187 cw(c14340,14087) 14440,14087 14440,13597.09 cw(c14349.96,13597.09) U1.66
NetP3_2: P3.2 U1.18 | length 4280.4
  Top Layer w10: P3.2 10742.25,14492.75 cw(c10742.25,14456) 10779,14456 10779,14206.25 ccw(c10818.25,14206.25) 10818.25,14167 13922,14167 cw(c13922,14132) 13957,14132 13957,13681 cw(c13917,13681) 13917,13641 13825.83,13641 cw(c13825.83,13671.33) 13795.5,13671.33 U1.18
NetP3_3: P3.3 U1.20 | length 3914.1
  Top Layer w10: P3.3 10732.46,14443.54 cw(c10732.46,14420) 10756,14420 10756,14203.45 ccw(c10810.45,14203.45) 10810.45,14149 13904.2,14149 cw(c13904.2,14120.2) 13933,14120.2 13933,13770.96 cw(c13895.5,13770.96) U1.20
NetP4_2: P4.2 U1.5
NetP4_3: P4.3 U1.3
NetP5_2: P5.2 U1.9
NetP5_3: P5.3 U1.7
NetP6_1: P6.1 R10.8 | length 1306.3
  Top Layer w10: R10.8 11816.46,12539.4 ccw(c11842.85,12539.4) 11842.85,12513 12574,12513 ccw(c12574,12563) 12624,12563 12624,12791.17 cw(c12658.09,12791.17) P6.1
NetP6_2: P6.2 R11.4 | length 784.4
  Top Layer w10: R11.4 12034.45,12648.65 ccw(c12054.09,12648.65) 12054.09,12629 12487.2,12629 ccw(c12487.2,12654.8) 12513,12654.8 12513,12745.93 ccw(c12433.68,12745.93) P6.2
NetP6_3: P6.3 R10.6 | length 1336.6
  Top Layer w10: R10.6 11847.95,12554.62 ccw(c11871.57,12554.62) 11871.57,12531 12566.03,12531 ccw(c12566.03,12567.97) 12603,12567.97 12603,12870.17 cw(c12658.09,12870.17) P6.3
NetP6_4: P6.4 R11.2 | length 911.1
  Top Layer w10: R11.2 12065.94,12665.02 ccw(c12082.96,12665.02) 12082.96,12648 12473.07,12648 ccw(c12473.07,12668.93) 12494,12668.93 12494,12747.52 ccw(c12475.52,12747.52) 12475.52,12766 12402,12766 cw(c12402,12805) 12363,12805 12363,12879.09 cw(c12409.16,12879.09) 12409.16,12925.25 P6.4
NetP6_5: P6.5 R10.4 | length 1358
  Top Layer w10: R10.4 11879.45,12574.38 ccw(c11901.82,12574.38) 11901.82,12552 12552.9,12552 ccw(c12552.9,12582.1) 12583,12582.1 12583,12950.17 cw(c12658.09,12950.17) P6.5
NetP6_6: P6.6 R12.8 | length 596.1
  Top Layer w10: R12.8 cw(c12065.94,13240.98) 12122,13240.98 12122,13070.27 ccw(c12167.02,13070.27) 12167.02,13025.25 P6.6
NetP6_7: P6.7 R10.2 | length 1374.6
  Top Layer w10: R10.2 11910.94,12604.51 ccw(c11943.45,12604.51) 11943.45,12572 12535.28,12572 ccw(c12535.28,12601.72) 12565,12601.72 12565,13032.17 cw(c12658.09,13032.17) P6.7
NetP6_8: P6.8 R12.6 | length 767.7
  Top Layer w10: R12.6 12034.45,13334.45 cw(c12051,13334.45) 12051,13351 12128,13351 cw(c12128,13335) 12144,13335 12144,13078 ccw(c12169,13078) 12169,13053 12334,13053 ccw(c12334,13085) 12366,13085 cw(c12406.25,13085) 12406.25,13125.25 P6.8
NetP6_9: P6.9 R11.8 | length 1376.7
  Top Layer w10: R11.8 11971.46,12615.98 ccw(c11996.44,12615.98) 11996.44,12591 12518.17,12591 ccw(c12518.17,12619.83) 12547,12619.83 12547,13125.25 cw(c12647,13125.25) 12647,13225.25 P6.9
NetP6_10: P6.10 R12.4 | length 883.9
  Top Layer w10: R12.4 12002.95,13346.09 cw(c12031.86,13346.09) 12031.86,13375 12135.6,13375 cw(c12135.6,13345.6) 12165,13345.6 12165,13089.1 ccw(c12184.1,13089.1) 12184.1,13070 12313,13070 ccw(c12313,13101) 12344,13101 12344,13135.57 cw(c12433.68,13135.57) P6.10
NetP6_11: P6.11 R11.6 | length 1409.4
  Top Layer w10: R11.6 12002.95,12631.35 ccw(c12023.3,12631.35) 12023.3,12611 12506.2,12611 ccw(c12506.2,12634.8) 12530,12634.8 12530,13225.25 cw(c12630,13225.25) 12630,13325.25 P6.11
NetP6_12: P6.12 R12.2 | length 995.2
  Top Layer w10: R12.2 11971.46,13351.7 cw(c12013.75,13351.7) 12013.75,13394 12142,13394 cw(c12142,13351) 12185,13351 12185,13106.29 ccw(c12199.29,13106.29) 12199.29,13092 12302,13092 ccw(c12302,13105) 12315,13105 12315,13206.57 cw(c12433.68,13206.57) P6.12
NetQ1_1: Q1.1 R3.8
NetR1_2: R1.2 U3.12
NetR2_2: R2.2 U3.9
NetR3_1: R3.1 U1.47
NetR3_2: R3.2 U4.1
NetR3_3: R3.3 U1.45
NetR3_4: R3.4 U4.3
NetR3_5: R3.5 U1.43
NetR3_6: R3.6 U4.4
NetR3_7: R3.7 U1.48
NetR4_1: R4.1 U5.1 | length 99.6
  Top Layer w10: U5.1 11448.7,13512.7 ccw(c11448.7,13545) 11481,13545 11481,13588.01 R4.1
NetR4_2: R4.2 U1.6 | length 1873.9
  Top Layer w10: R4.2 11481.11,13672 cw(c11581.11,13672) 11581.11,13772 12867,13772 ccw(c12867,13795) 12890,13795 cw(c12917,13795) 12917,13822 13141.75,13822 cw(c13141.75,13768.25) 13195.5,13768.25 U1.6
NetR4_3: R4.3 U5.2 | length 146.5
  Top Layer w10: U5.2 11469.02,13493.02 ccw(c11469.02,13537) 11513,13537 11513,13588.01 R4.3
NetR4_4: R4.4 U1.8 | length 2035.1
  Top Layer w10: R4.4 cw(c11602.01,13663.6) 11602.01,13753 12881,13753 ccw(c12881,13781) 12909,13781 cw(c12926,13781) 12926,13798 13120,13798 cw(c13120,13772) 13146,13772 13146,13685 ccw(c13166,13685) 13166,13665 13281,13665 ccw(c13281,13677) 13293,13677 13293,13730.96 cw(c13295.5,13730.96) U1.8
NetR4_5: R4.5 U5.10 | length 137
  Top Layer w10: R4.5 11544,13588.01 11544,13542 ccw(c11573.3,13542) 11573.3,13512.7 U5.10
NetR4_6: R4.6 U1.2 | length 1491.3
  Top Layer w10: R4.6 cw(c11613.97,13663.6) 11613.97,13733.46 U1.2
NetR4_7: R4.7 U5.9 | length 218.4
  Top Layer w10: R4.7 cw(c11575.6,13586.61) 11577,13586.61 11577,13562 ccw(c11598,13562) 11598,13541 11653,13541 cw(c11653,13525) 11669,13525 11669,13503 cw(c11659.02,13503) 11659.02,13493.02 U5.9
NetR4_8: R4.8 U1.4 | length 1645.1
  Top Layer w10: R4.8 cw(c11626,13663.6) 11626,13714 12934.25,13714 cw(c12934.25,13695.25) 12953,13695.25 12953,13680 ccw(c12973,13680) 12973,13660 13070,13660 ccw(c13070,13685.5) 13095.5,13685.5 13095.5,13722.5 cw(c13033,13722.5) U1.4@13095.06,13715.06
NetR6_1: R6.1 U5.4 | length 142.6
  Top Layer w10: R6.1 11330.84,13504.56 11381.75,13453.65 U5.4
NetR7_1: R7.1 U5.5 | length 113
  Top Layer w10: R7.1 11332.91,13433.96 U5.5
NetR9_1: R9.1 U1.27 U6.27 | length 2334.9
  Top Layer w10: R9.1 11816,13220.94 11806.94,13220.94 11749.08,13163.08 U6.27 11749.08,13016.08 cw(c11729,13016.08) 11729,12996 11702,12996 ccw(c11702,12954) 11668.54,12979.39 ccw(c11702,12954) 11660,12954 11660,12823 ccw(c11695,12823) 11682.79,12790.2 ccw(c11695,12823) 11695,12788 11719,12788 cw(c11719,12763) 11744,12763 11744,12493.38 ccw(c11779.94,12493.38) 11779.94,12457.43 12995.32,12457.43 ccw(c12995.32,12557.43) 13095.32,12557.43 U1.27
NetR9_3: R9.3 U1.29 U6.26 | length 2534.8
  Top Layer w10: R9.3 11848,13199 11826,13177 11792,13177 11774.67,13159.67 U6.26 11774.67,12999.67 cw(c11747,12999.67) 11747,12972 11712,12972 ccw(c11712,12939) 11679,12939 11679,12831 ccw(c11704,12831) 11704,12806 11733.77,12806 cw(c11733.77,12778.77) 11761,12778.77 11761,12507.25 ccw(c11793.25,12507.25) 11793.25,12475 12992,12475 ccw(c12992,12538) 13055,12538 13055,12619 cw(c13082,12619) 13082,12646 13175.28,12646 cw(c13175.28,12625.96) 13195.32,12625.96 U1.29
NetR9_5: R9.5 U1.31 U6.23 | length 2600
  Top Layer w10: R9.5 11879.5,13202.5 11851.44,13174.44 U6.23 11851.44,13029.44 cw(c11774,13029.44) 11774,12952 11721.66,12952 ccw(c11721.66,12929.34) 11699,12929.34 11699,12853 ccw(c11726,12853) 11726,12826 11746.73,12826 cw(c11746.73,12793.73) 11779,12793.73 11779,12522.8 ccw(c11807.8,12522.8) 11807.8,12494 12986,12494 ccw(c12986,12544) 13036,12544 13036,12620.03 cw(c13078.97,12620.03) 13078.97,12663 13253.88,12663 cw(c13253.88,12621.57) 13295.32,12621.57 U1.31
NetR10_1: R10.1 U6.9 | length 98.4
  Top Layer w10: R10.1 11910.94,12829.94 11928.22,12847.22 U6.9
NetR10_3: R10.3 U6.8 | length 100.9
  Top Layer w10: R10.3 11879.45,12827.45 11902.63,12850.63 U6.8
NetR10_5: R10.5 U6.7 | length 103.3
  Top Layer w10: R10.5 11847.95,12825.95 11877.03,12855.03 U6.7
NetR10_7: R10.7 U6.6 | length 105.8
  Top Layer w10: R10.7 11816.46,12821.46 11851.44,12856.44 U6.6
NetR11_1: R11.1 U6.13 | length 105.9
  Top Layer w10: U6.13 12030.58,12853.42 12065.94,12818.06 R11.1
NetR11_3: R11.3 U6.12 | length 103.5
  Top Layer w10: U6.12 12004.99,12853.01 12034.45,12823.55 R11.3
NetR11_5: R11.5 U6.11 | length 101
  Top Layer w10: U6.11 11979.4,12851.6 12002.95,12828.05 R11.5
NetR11_7: R11.7 U6.10 | length 98.6
  Top Layer w10: U6.10 11953.81,12850.19 11971.46,12832.54 R11.7
NetR12_1: R12.1 U6.18 | length 93
  Top Layer w10: R12.1 11971.46,13173.54 11979.4,13165.6 U6.18
NetR12_3: R12.3 U6.17 | length 90.6
  Top Layer w10: R12.3 12004.99,13219.41 U6.17
NetR12_5: R12.5 U6.16 | length 91.4
  Top Layer w10: U6.16 12030.58,13217.57 R12.5
NetR12_7: R12.7 U6.15 | length 93.8
  Top Layer w10: U6.15 12056.17,13164.17 12065.94,13173.94 R12.7
NetR13_2: R13.2 R14.1 U8.1 | length 230
  Top Layer w20: R13.2 11125.66,13600.5 R14.1 11085,13554.84 U8.1
NetU1_35: U1.35 U7.3
NetU1_46: U1.46 U7.4
PGND: C11.2 C12.2 C13.2 L3.1 U9.1 U9.4 U10.1 U10.4 U11.1 U11.4
PLC_12V: L1.2 U2.11
POWER_24V: D2.1 P9.1 T1.1 U2.13
SPD_LED: U1.50 U3.11
VDD_3.3V: B1.1 C15.2 P1.1 P2.1 R1.1 R2.1 R5.2 R8.2 R8.4 R8.6 R8.8 R9.2 R9.4 R9.6 R9.8 T4.1 U4.2 U6.28 U7.11 U11.3 | length 298.4
  Top Layer w10: U6.28 11723.49,13167.49 11790,13234 11790,13270.53 R9.2 R9.4 R9.6 R9.8
VDD_5.0V: C1.1 C5.1 C14.1 P3.1 P4.1 P5.1 P6.13 P6.15 T3.1 U1.1 U1.26 U1.28 U1.65 U1.67 U5.8 U10.3 | length 180.6
  Top Layer w10: C1.1@11549,13348.44 11549,13442 cw(c11580.33,13442) 11580.33,13473.33 U5.8
VDD_12.0V: F1.1 T2.1 U9.3
pads on no net: D2.0 P1.0 P2.0 P3.0 P4.0 P5.0 R9.7 U1.11 U1.13 U1.14 U1.16 U1.19 U1.21 U1.22 U1.25 U1.32 U1.34 U1.36 U1.37 U1.38 U1.39 U1.40 U1.41 U1.42 U1.44 U1.55 U1.56 U1.57 U1.58 U1.61 U1.63 U1.68 U2.0 U2.2 U2.3 U2.4 U2.5 U2.6 U2.14 U2.15 U3.4 U3.5 U3.7 U3.MH3 U5.6 U5.7 U6.19 U6.20 U6.21 U6.22 U7.1 U7.2 U7.5 U7.6 U7.7 U7.9 U7.10 U7.12

## Keep-outs
Keep-Out Layer:
  circle w10: c11459.06,12244.09 r47.24
  circle w10: c12171.65,12244.09 r47.24
  circle w10: c12129.65,13997.12 r47.24
  circle w10: c11417.06,13997.12 r47.24
  circle w10: c6209.72,12277.17 r59.06
  circle w10: c6209.72,14088.19 r59.06
  circle w10: c14634.92,14088.19 r59.06
  circle w10: c14634.92,12277.17 r59.06
  lines w10: 8056.18,13005.51 cw(c8056.18,12954.33) 8107.36,12954.33 8107.36,11678.34 cw(c8056.58,11678.34) 8056.58,11627.56 7696.56,11627.56 cw(c7696.56,11689.2) 7634.92,11689.2 7634.92,12965.72 cw(c7674.71,12965.72) 7674.71,13005.51 8060.12,13005.51 ; 8107.36,14694.49 ccw(c8056.18,14694.49) 8056.18,14745.67 7677.88,14745.67 ccw(c7677.88,14702.71) 7634.92,14702.71 7634.92,13454.01 ccw(c7681.84,13454.01) 7681.84,13407.09 8056.58,13407.09 ccw(c8056.58,13457.87) 8107.36,13457.87 8107.36,14698.43 ; 8738.58,11468.19 cw(c8803.47,11468.19) 8803.47,11533.07 9144.96,11533.07 cw(c9144.96,11468.19) 9209.84,11468.19 ; 8767.75,13852 ccw(c8768.4,13898.35) 8814.75,13897.69 cw(c8852.25,13892.19) 8857.75,13929.69 9115.75,13929.69 cw(c9119.25,13895.19) 9153.75,13898.69 ccw(c9199.59,13897.85) 9198.75,13852 ; 8771.75,13694.39 cw(c8770.9,13648.54) 8816.75,13647.69 ccw(c8851.25,13651.19) 8854.75,13616.69 9112.75,13616.69 ccw(c9118.25,13654.19) 9155.75,13648.69 cw(c9202.09,13648.04) 9202.75,13694.39 ; 8775.16,14896.81 ccw(c8840.04,14896.81) 8840.04,14831.93 9181.53,14831.93 ccw(c9181.53,14896.81) 9246.42,14896.81 ; 8786.75,12671 ccw(c8787.4,12717.35) 8833.75,12716.69 cw(c8871.25,12711.19) 8876.75,12748.69 9134.75,12748.69 cw(c9138.25,12714.19) 9172.75,12717.69 ccw(c9218.59,12716.85) 9217.75,12671 ; 8789.75,12513.39 cw(c8788.9,12467.54) 8834.75,12466.69 ccw(c8869.25,12470.19) 8872.75,12435.69 9130.75,12435.69 ccw(c9136.25,12473.19) 9173.75,12467.69 cw(c9220.09,12467.04) 9220.75,12513.39 ; 8821.75,13694.39 9144.75,13694.39 ; 8825.75,13852 9148.75,13852 ; 8839.75,12513.39 9162.75,12513.39 ; 8844.75,12671 9167.75,12671 ; 9801.94,14848.65 cw(c9834.94,14848.65) 9834.94,14881.65 10186.95,14881.65 cw(c10186.95,14845.23) 10223.36,14845.23 ; 9801.94,14849.61 9801.94,14105.86 ccw(c9836.34,14105.86) 9836.34,14071.46 10187,14071.46 ; 10186.36,14071.46 ccw(c10186.36,14108.46) 10223.36,14108.46 10223.36,14849.61 ; 10189.36,11479.2 ccw(c10189.36,11516.2) 10226.36,11516.2 10226.36,12252.97 ccw(c10189.95,12252.97) 10189.95,12289.39 9837.94,12289.39 ccw(c9837.94,12256.39) 9804.94,12256.39 9804.94,11513.6 ccw(c9839.34,11513.6) 9839.34,11479.2 10190,11479.2 ; 6091.61,11470.08 ccw(c6150.67,11470.08) 6150.67,11411.02 14654.61,11411.02 ccw(c14654.61,11509.45) 14753.03,11509.45 14753.03,14875.59 ccw(c14674.29,14875.59) 14674.29,14954.33 6150.67,14954.33 ccw(c6150.67,14895.28) 6091.61,14895.28 6091.61,11470.08 ; 8570.67,12533.07 ccw(c8590.35,12533.07) 8590.35,12513.39 9405.99,12513.39 ccw(c9405.99,12544.21) 9436.81,12544.21 9436.81,12637.54 ccw(c9403.49,12637.54) 9403.49,12670.87 8598.23,12670.87 ccw(c8598.23,12643.31) 8570.67,12643.31 8570.67,12533.07 ; 8570.67,13714.17 ccw(c8590.35,13714.17) 8590.35,13694.49 9405.99,13694.49 ccw(c9405.99,13725.31) 9436.81,13725.31 9436.81,13818.65 ccw(c9403.49,13818.65) 9403.49,13851.97 8598.23,13851.97 ccw(c8598.23,13824.41) 8570.67,13824.41 8570.67,13714.17

## Silkscreen, mask and mechanical layers (free items; w line width, h text height)
Top Overlay:
  lines w10: 6327.83,11411.02 6327.83,14954.33 ; 14516.81,11411.02 14516.81,14954.33 ; 14547.72,13211.69 14744.57,13211.69
Bottom Solder:
  lines w10: 8674.75,11410.69 ccw(c8677.92,11471.36) 8738.58,11468.19 ; 8715.58,14954.31 8715.25,14953.98 cw(c8716.62,14895.44) 8775.16,14896.81 ; 9209.84,11468.19 ccw(c9268.38,11469.56) 9269.75,11411.02 9269.42,11410.69 ; 9246.42,14896.81 cw(c9307.08,14893.64) 9310.25,14954.31

## Text inside footprints (layer, text, board x,y; h text height)
C9: Top Overlay "+" at 9958.25,13570.3 h78.74 r180
C10: Top Overlay "+" at 9977.94,12715.97 h78.74 r180
C11: Top Overlay "+" at 13404,14622 h78.74 r90
C12: Top Overlay "+" at 12262,14615 h78.74 r90
C13: Top Overlay "+" at 11102,14618 h78.74 r90
F1: Top Overlay "~" at 12037,13537 h98.43 r90
MIC1: Top Overlay "+" at 14264.76,13838.58 h60 r180
P7: Top Overlay "+" at 10169.91,13719.83 h80; Top Overlay "-" at 10016.91,13727.83 h80
P8: Top Overlay "+" at 10067.57,13256.52 h80 r90; Top Overlay "-" at 10059.57,13103.52 h80 r90
P9: Top Overlay "+" at 10169.91,12310.38 h80; Top Overlay "-" at 10016.91,12318.38 h80
U1: Top Overlay "MP" at 13380.9,13677.87 h50 r270; Top Overlay "MN" at 13480.9,13677.87 h50 r270; Top Overlay "LR" at 13580.9,13677.87 h50 r270; Top Overlay "LL" at 13680.9,13677.87 h50 r270; Top Overlay "GND" at 14163.94,13775.32 h50 r270; Top Overlay "5V" at 13980.9,13677.87 h50 r270; Top Overlay "TX0" at 13880.9,13677.87 h50 r270; Top Overlay "RX0" at 13780.9,13677.87 h50 r270; Top Overlay "CS0" at 14070.57,12285.81 h50 r270; Top Overlay "CLK0" at 14159.02,12634.57 h50 r270; Top Overlay "RX2" at 13977.27,12285.81 h50 r270; Top Overlay "MISO0" at 13983.82,12768.43 h50 r270; Top Overlay "MOSI0" at 13879.91,12765.83 h50 r270; Top Overlay "GND" at 13877.27,12285.81 h50 r270; Top Overlay "IOG9" at 13777.27,12285.81 h50 r270; Top Overlay "IOG8" at 13677.27,12285.81 h50 r270; Top Overlay "GND" at 13577.27,12285.81 h50 r270; Top Overlay "IOA6" at 13477.27,12285.81 h50 r270; Top Overlay "3V3" at 13779.91,12707.8 h50 r270; Top Overlay "IOA3" at 13679.91,12727.85 h50 r270; Top Overlay "IOA2" at 13579.91,12727.53 h50 r270; Top Overlay "TX2" at 13479.91,12710.76 h50 r270; Top Overlay "GND" at 13379.91,12726.74 h50 r270; Top Overlay "RX1" at 13377.27,12285.81 h50 r270; Top Overlay "TX1" at 13277.27,12285.81 h50 r270; Top Overlay "GND" at 13177.27,12285.81 h50 r270; Top Overlay "SCL0" at 13179.91,12739.82 h50 r270; Top Overlay "5V" at 13077.27,12285.81 h50 r270; Top Overlay "SDA0" at 13079.91,12744.76 h50 r270; Top Overlay "3V3" at 12979.91,12707.8 h50 r270; Top Overlay "SPD" at 14498.56,12722.75 h50 r180; Top Overlay "LNK" at 14036.97,12746.77 h50 r270; Top Overlay "TXN" at 14495.74,12823.94 h50 r180; Top Overlay "TXP" at 14066.14,12823.23 h50 r180; Top Overlay "RXN" at 14498.24,12920.94 h50 r180; Top Overlay "RXP" at 14066.14,12922.53 h50 r180; Top Overlay "NC" at 14470.42,13022.67 h50 r180; Top Overlay "NC" at 14066.14,13022.87 h50 r180; Top Overlay "GND" at 14505.63,13221.74 h50 r180; Top Overlay "GND" at 14066.14,13223.32 h50 r180; Top Overlay "IOA7" at 14506.74,13322.94 h50 r180; Top Overlay "DP3" at 14066.14,13322.44 h50 r180; Top Overlay "SCL2" at 14518.47,13422.94 h50 r180; Top Overlay "DM3" at 14066.14,13423.46 h50 r180; Top Overlay "SDA2" at 14523.41,13522.94 h50 r180; Top Overlay "5V" at 14066.14,13522.23 h50 r180; Top Overlay "3V3" at 14486.69,13621.94 h50 r180; Top Overlay "5V" at 14066.14,13623.11 h50 r180; Top Overlay "NC" at 14470.42,13123.46 h50 r180; Top Overlay "NC" at 14066.14,13123.85 h50 r180; Top Overlay "GND" at 14081.63,14123.06 h50 r270; Top Overlay "SDIN" at 13984.83,14129.57 h50 r270; Top Overlay "SDOT" at 13884.83,14149.67 h50 r270; Top Overlay "BCK" at 13784.83,14117.01 h50 r270; Top Overlay "LRCK" at 13684.83,14144.31 h50 r270; Top Overlay "SPDF" at 13584.83,14143.62 h50 r270; Top Overlay "IRRX" at 13484.83,14130.77 h50 r270; Top Overlay "DM2" at 13384.83,14117.05 h50 r270; Top Overlay "DP2" at 13284.83,14109.61 h50 r270; Top Overlay "DM1" at 13184.83,14111.18 h50 r270; Top Overlay "DP1" at 13083.43,14103.75 h50 r270; Top Overlay "5V" at 12974.96,14080.97 h50 r270; Top Overlay "MOSI1" at 12979.32,13681.81 h50 r270; Top Overlay "MISO1" at 13077.32,13681.81 h50 r270; Top Overlay "CLK1" at 13179.49,13677.87 h50 r270; Top Overlay "CS1" at 13280.9,13677.87 h50 r270; Top Overlay "5V" at 12977.27,12285.81 h50 r270; Top Overlay "IOG11" at 13281.06,12754.65 h50 r270
U2: Top Overlay "GND" at 12211,12803 h60 r180; Top Overlay "RST" at 12214.99,12885.94 h60 r180; Top Overlay "ETH" at 12214.99,12965.49 h60 r180; Top Overlay "PLC" at 12214.99,13043.94 h60 r180; Top Overlay "PWR" at 12214.99,13123.49 h60 r180; Top Overlay "3.3V" at 12214.99,13201.94 h60 r180; Top Overlay "TXP" at 12214.94,13281.49 h60 r180; Top Overlay "TXN" at 12214.94,13360.49 h60 r180; Top Overlay "RXP" at 12214.99,13439.49 h60 r180; Top Overlay "RXN" at 12214.99,13518.49 h60 r180; Top Overlay "12V" at 12211.06,13593.56 h60 r180; Top Overlay "GND" at 12211,13672 h60 r180; Top Overlay "AC/N" at 11096,12797 h55 r180; Top Overlay "AC/L" at 11085,13120 h55 r180; Top Overlay "NC" at 11049,12881 h55 r180; Top Overlay "NC" at 11048,12958 h55 r180
U7: Top Overlay "9轴" at 13426.54,12809.09 h60; Top Overlay "D3" at 13629.65,12913.19 h35; Top Overlay "D2" at 13619.65,13413.19 h35; Top Overlay "D1" at 13239.65,12913.19 h35; Top Overlay "D0" at 13229.65,13413.19 h35; Top Overlay "SCL" at 13619.65,13213.19 h35; Top Overlay "SDA" at 13619.65,13113.19 h35; Top Overlay "TX" at 13239.65,13113.19 h35; Top Overlay "RX" at 13239.65,13213.19 h35; Top Overlay "GND" at 13619.65,13013.19 h35; Top Overlay "GND" at 13229.65,13013.19 h35; Top Overlay "VCC" at 13619.65,13313.19 h35; Top Overlay "VCC" at 13229.65,13313.19 h35; Top Overlay "Z" at 13420.63,13108.31 h35 r180; Top Overlay "X" at 13538.95,13232.46 h35 r180; Top Overlay "Y" at 13466.95,13291.46 h35
U9: Top Overlay "Vo+" at 12995.76,14345.9 h78.74; Top Overlay "Vo-" at 13000.68,14764.9 h78.74; Top Overlay "Vi+" at 12611.68,14348.9 h78.74; Top Overlay "Vi-" at 12611.68,14768.9 h78.74
U10: Top Overlay "Vo+" at 14142.76,14350.9 h78.74; Top Overlay "Vo-" at 14147.68,14769.9 h78.74; Top Overlay "Vi+" at 13758.68,14353.9 h78.74; Top Overlay "Vi-" at 13758.68,14773.9 h78.74
U11: Top Overlay "Vo+" at 11842.76,14345.9 h78.74; Top Overlay "Vo-" at 11847.68,14764.9 h78.74; Top Overlay "Vi+" at 11458.68,14348.9 h78.74; Top Overlay "Vi-" at 11458.68,14768.9 h78.74